# Altium PCB Main Board_V15.PcbDoc (part 4 of 5)
Units mm, origin at the board's own origin, x right, y up, seen from the top; angles counter-clockwise.
Board outline 180 x 140 mm, 2 copper layers (Top Layer, Bottom Layer); 280 components, 221 nets, 891 pads, 235 vias.
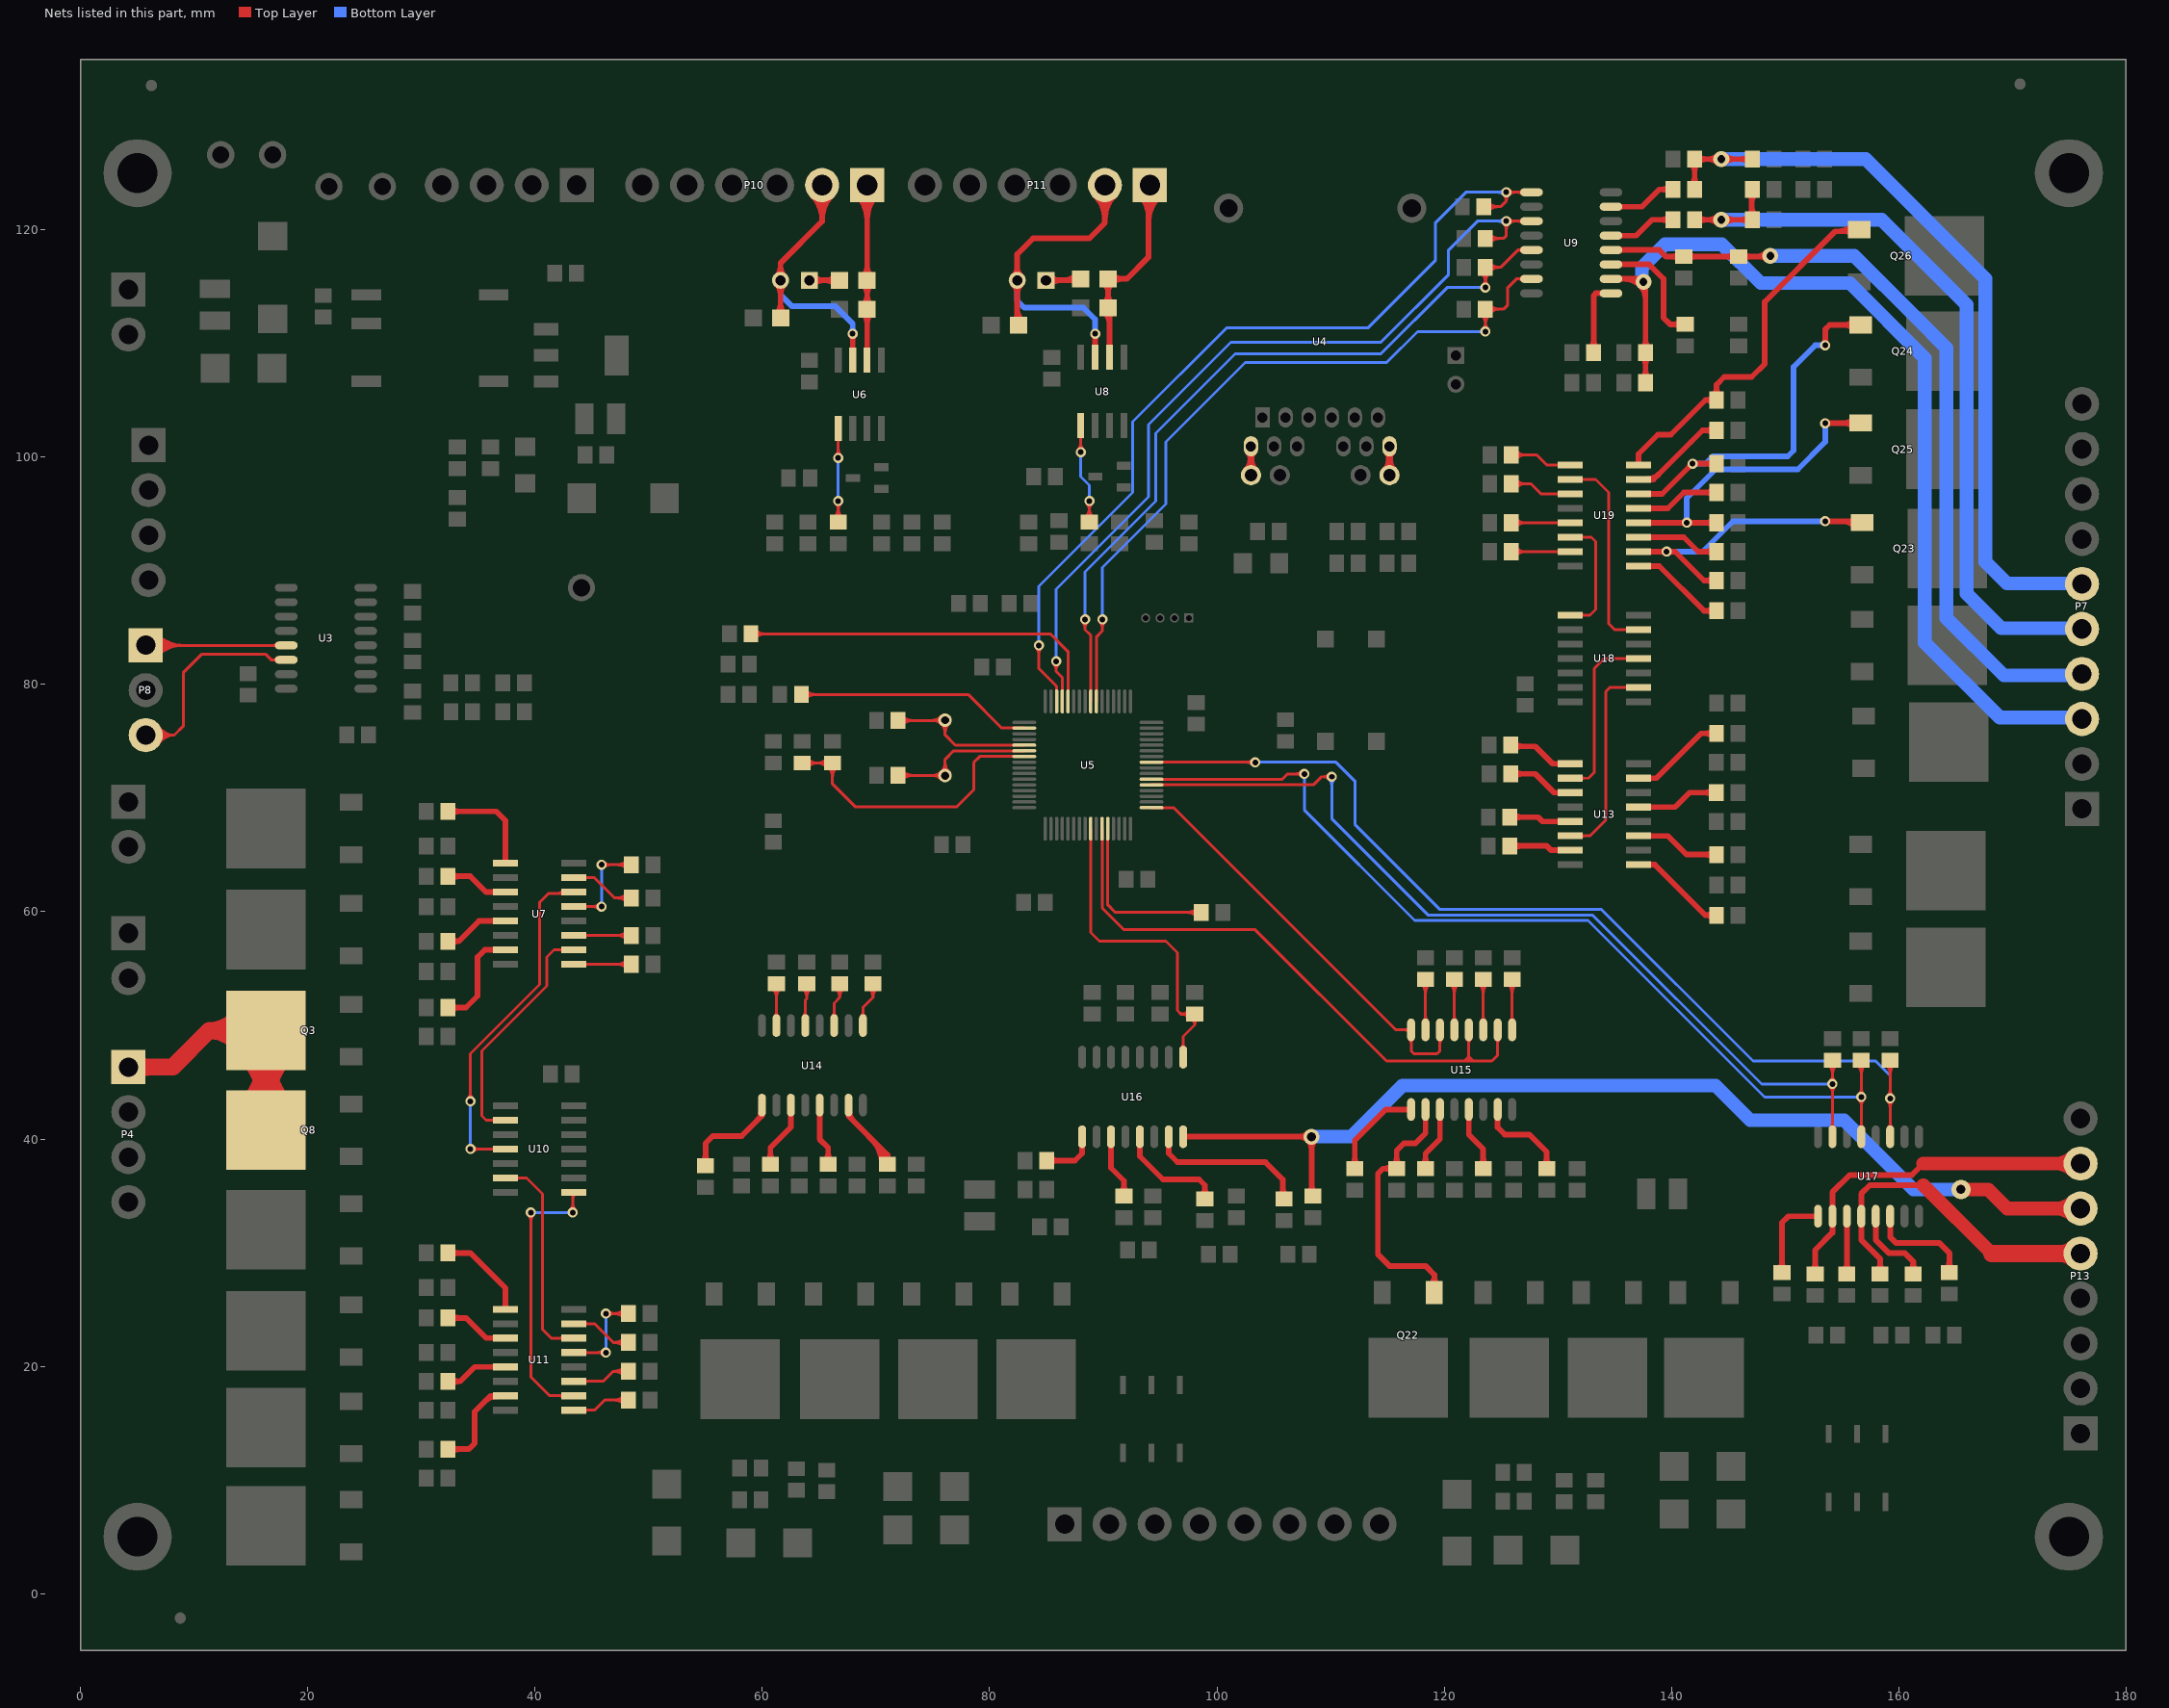
[diagram p4: the nets of this part, all layers, seen from the top]

## Via types
v1: diameter 0.889, hole 0.508, Top Layer to Bottom Layer, 97 vias
v2: diameter 1.7, hole 0.8, Top Layer to Bottom Layer, 84 vias
v3: diameter 1.2, hole 0.7, Top Layer to Bottom Layer, 34 vias
v4: diameter 1.2, hole 0.8, Top Layer to Bottom Layer, 11 vias
v5: diameter 1.4, hole 0.7, Top Layer to Bottom Layer, 5 vias
v6: diameter 1.4, hole 0.8, Top Layer to Bottom Layer, 2 vias
v7: diameter 3.4, hole 3.4, Top Layer to Bottom Layer, 2 vias

## Nets (pads, with @x,y where several pads share a name; then routed paths per layer and width w, separated by ;. In a path a pad name is that pad's centre, name@x,y a point inside that pad or via, vN(x,y) a via of type N, cw(c..) or ccw(c..) an arc to the next point about the centre after c; other vN are vias at no path point) (continued)
NetQ22_1: Q22.1 R110.1 U15.10 | length 28
  Top Layer w0.5: R110.1@115.441,37.116 ccw(c114.758,36.433) 114.758,37.399 ccw(c114.758,38.365) R110.1@115.441,37.682 ; R110.1@115.541,37.682 ccw(c114.858,38.365) 115.824,38.365 ccw(c116.79,38.365) R110.1@116.107,37.682 ; U15.10@118.364,42.601 118.364,40.513 117.475,39.624 116.459,39.624 115.824,38.989 R110.1@115.824,37.399 114.615,37.399 114.173,36.957 114.173,29.845 115.189,28.829 118.364,28.829 119.14,28.053 Q22.1@119.14,26.483 ; Q22.1@118.786,27.087 ccw(c117.933,27.94) 119.14,27.94 ccw(c120.347,27.94) Q22.1@119.494,27.087
NetQ23_1: Q23.1 R120.1 U19.10 | length 33.4
  Top Layer w0.5: U19.10@137.112,91.694 140.335,91.694 142.875,89.154 R120.1@143.971,89.154 ; v1@139.435,91.556 ccw(c139.103,91.224) 139.103,91.694 ccw(c139.103,92.164) v1@139.435,91.832 ; v1@139.711,91.556 cw(c140.043,91.224) 140.043,91.694 cw(c140.043,92.164) v1@139.711,91.832 ; R120.1@143.688,88.871 ccw(c143.005,88.188) 143.005,89.154 ccw(c143.005,90.12) R120.1@143.688,89.437 ; v1(153.543,94.361) Q23.1@156.845,94.361 ; v1@153.681,94.223 cw(c154.013,93.891) 154.013,94.361 cw(c154.013,94.831) v1@153.681,94.499 ; 155.048,94.361 cw(c155.048,92.768) Q23.1@156.174,93.894 ; 155.594,94.361 ccw(c155.594,95.182) Q23.1@156.174,94.602
  Bottom Layer w0.5: v1(139.573,91.694) 142.748,91.694 145.415,94.361 v1(153.543,94.361) ; v1@139.711,91.556 cw(c140.043,91.224) 140.043,91.694 cw(c140.043,92.164) v1@139.711,91.832 ; v1@153.405,94.223 ccw(c153.073,93.891) 153.073,94.361 ccw(c153.073,94.831) v1@153.405,94.499
NetQ24_1: Q24.1 R118.1 U19.14 | length 40
  Top Layer w0.5: U19.14@137.112,96.774 139.192,96.774 v1(141.859,99.441) R118.1@143.971,99.441 ; v1@141.664,99.441 cw(c141.195,99.441) 141.527,99.109 cw(c141.859,98.777) v1@141.859,99.246 ; v1@141.997,99.303 cw(c142.329,98.971) 142.329,99.441 cw(c142.329,99.911) v1@141.997,99.579 ; R118.1@143.688,99.158 ccw(c143.005,98.475) 143.005,99.441 ccw(c143.005,100.407) R118.1@143.688,99.724 ; v1@153.405,109.993 ccw(c153.073,110.325) 153.543,110.325 ccw(c154.013,110.325) v1@153.681,109.993 ; v1(153.543,109.855) 153.543,111.252 153.938,111.647 Q24.1@156.651,111.647 ; Q24.1@156.047,111.293 ccw(c155.194,110.44) 155.194,111.647 ccw(c155.194,112.854) Q24.1@156.047,112.001
  Bottom Layer w0.5: v1(141.859,99.441) 143.002,99.441 143.637,100.076 150.241,100.076 150.749,100.584 150.749,107.95 152.654,109.855 v1(153.543,109.855) ; v1@141.997,99.303 cw(c142.329,98.971) 142.329,99.441 cw(c142.329,99.911) v1@141.997,99.579 ; v1@153.405,109.717 ccw(c153.073,109.385) 153.073,109.855 ccw(c153.073,110.325) v1@153.405,109.993
NetQ25_1: Q25.1 R119.1 U19.12 | length 34.5
  Top Layer w0.5: U19.12@137.747,94.234 R119.1@144.018,94.234 ; v1@141.213,94.096 ccw(c140.881,93.764) 140.881,94.234 ccw(c140.881,94.704) v1@141.213,94.372 ; v1@141.489,94.096 cw(c141.821,93.764) 141.821,94.234 cw(c141.821,94.704) v1@141.489,94.372 ; R119.1@143.688,93.951 ccw(c143.005,93.268) 143.005,94.234 ccw(c143.005,95.2) R119.1@143.688,94.517 ; v1(153.543,102.997) Q25.1@156.591,102.997 ; v1@153.681,102.859 cw(c154.013,102.527) 154.013,102.997 cw(c154.013,103.467) v1@153.681,103.135 ; 155.16,102.997 ccw(c155.16,104.252) Q25.1@156.047,103.365 ; 155.228,102.997 cw(c155.228,101.838) Q25.1@156.047,102.657
  Bottom Layer w0.5: v1@141.213,94.372 ccw(c140.881,94.704) 141.351,94.704 ccw(c141.821,94.704) v1@141.489,94.372 ; v1(141.351,94.234) 141.351,96.393 143.891,98.933 151.13,98.933 153.543,101.346 v1(153.543,102.997) ; v1@153.405,102.859 cw(c153.073,102.527) 153.543,102.527 cw(c154.013,102.527) v1@153.681,102.859
NetQ26_1: Q26.1 R117.1 U19.16 | length 37.4
  Top Layer w0.5: U19.16@137.112,99.314 137.112,100.282 138.811,101.981 139.954,101.981 143.002,105.029 R117.1@143.971,105.029 143.971,106.379 144.653,107.061 147.066,107.061 148.209,108.204 148.209,109.22 148.209,113.665 154.432,119.888 Q26.1@156.538,119.888 ; R117.1@143.688,104.746 ccw(c143.005,104.063) 143.005,105.029 ccw(c143.005,105.995) R117.1@143.688,105.312 ; R117.1@143.688,105.412 ccw(c143.005,106.095) 143.971,106.095 ccw(c144.937,106.095) R117.1@144.254,105.412 ; 154.726,119.888 ccw(c154.726,121.577) Q26.1@155.92,120.383 ; 155.407,119.888 cw(c155.407,119.162) Q26.1@155.92,119.675
NetR7_2: R7.2 U5.60 | length 34.9
  Top Layer w0.254: R7.2@58.989,84.455 60.833,84.455 74.422,84.455 85.344,84.455 86.896,82.903 U5.60@86.896,78.512 ; R7.2@59.359,84.085 cw(c60.252,83.192) 60.252,84.455 cw(c60.252,85.718) R7.2@59.359,84.825
NetR8_2: R8.2 U5.28 | length 17.2
  Top Layer w0.254: U5.28@90.396,67.312 90.396,60.607 91.059,59.944 R8.2@98.679,59.944 ; R8.2@98.248,59.574 ccw(c97.355,58.681) 97.355,59.944 ccw(c97.355,61.207) R8.2@98.248,60.314
NetR10_2: R10.2 U5.2 | length 22.8
  Top Layer w0.254: R10.2@63.434,79.121 78.105,79.121 81.064,76.162 U5.2@83.046,76.162 ; R10.2@63.804,78.751 cw(c64.697,77.858) 64.697,79.121 cw(c64.697,80.384) R10.2@63.804,79.491
NetR15_1: R15.1 W1.1 | length 6.5
  Top Layer w0.5: W1.1@64.135,115.57 R15.1@66.802,115.57 ; W1.1@64.489,115.216 cw(c65.342,114.363) 65.342,115.57 cw(c65.342,116.777) W1.1@64.489,115.924 ; R15.1@66.436,115.216 ccw(c65.583,114.363) 65.583,115.57 ccw(c65.583,116.777) R15.1@66.436,115.924
NetR16_1: R16.1 U7.1 | length 7.8
  Top Layer w0.254: U7.1@43.386,55.372 48.326,55.372 R16.1@48.453,55.499 ; U7.1@44.308,55.25 cw(c44.604,54.954) 44.604,55.372 cw(c44.604,55.79) U7.1@44.308,55.494 ; R16.1@48.083,55.002 ccw(c47.19,54.109) 47.19,55.372 ccw(c47.19,56.635) R16.1@48.083,55.742
NetR17_2: R17.2 U7.3 | length 8
  Top Layer w0.254: U7.3@43.386,57.912 48.387,57.912 R17.2@48.641,57.658 ; U7.3@44.308,57.79 cw(c44.604,57.494) 44.604,57.912 cw(c44.604,58.33) U7.3@44.308,58.034 ; R17.2@48.083,57.542 ccw(c47.19,56.649) 47.19,57.912 ccw(c47.19,59.175) R17.2@48.083,58.282
NetR18_2: R18.2 U7.5 | length 13.8
  Top Layer w0.254: U7.5@43.386,60.452 v1(45.847,60.452) ; U7.5@44.308,60.33 cw(c44.604,60.034) 44.604,60.452 cw(c44.604,60.87) U7.5@44.308,60.574 ; v1@45.622,60.227 ccw(c45.08,59.685) 45.08,60.452 ccw(c45.08,61.219) v1@45.622,60.677 ; v1(45.847,64.135) R18.2@48.453,64.135 ; v1@46.072,63.91 cw(c46.614,63.368) 46.614,64.135 cw(c46.614,64.902) v1@46.072,64.36 ; R18.2@48.083,63.765 ccw(c47.19,62.872) 47.19,64.135 ccw(c47.19,65.398) R18.2@48.083,64.505
  Bottom Layer w0.254: v1(45.847,60.452) v1(45.847,64.135)
NetR19_2: R19.2 U7.7 | length 8.4
  Top Layer w0.254: U7.7@43.386,62.992 45.212,62.992 46.99,61.214 R19.2@48.453,61.214 ; U7.7@44.308,62.87 cw(c44.604,62.574) 44.604,62.992 cw(c44.604,63.41) U7.7@44.308,63.114 ; R19.2@48.083,60.844 ccw(c47.19,59.951) 47.19,61.214 ccw(c47.19,62.477) R19.2@48.083,61.584
NetR20_2: R20.2 U7.15 | length 10.7
  Top Layer w0.5: R20.2@32.319,51.562 33.909,51.562 34.925,52.578 34.925,53.34 34.925,56.007 35.56,56.642 U7.15@37.386,56.642 ; R20.2@32.602,51.279 cw(c33.285,50.596) 33.285,51.562 cw(c33.285,52.528) R20.2@32.602,51.845
NetR21_1: R21.1 U7.13 | length 7.3
  Top Layer w0.5: R21.1@32.319,57.404 33.274,57.404 ; R21.1@32.604,57.123 cw(c33.274,56.464) 33.274,57.404 ; R21.1@32.604,57.685 ccw(c33.274,58.344) 33.274,57.404 ; U7.13@37.386,59.182 35.052,59.182 33.274,57.404
NetR22_1: R22.1 U7.11 | length 7.2
  Top Layer w0.5: R22.1@32.319,63.119 34.29,63.119 35.687,61.722 U7.11@37.386,61.722 ; R22.1@32.602,62.836 cw(c33.285,62.153) 33.285,63.119 cw(c33.285,64.085) R22.1@32.602,63.402
NetR23_1: R23.1 U7.9 | length 10.7
  Top Layer w0.5: R23.1@32.319,68.834 36.576,68.834 37.386,68.024 37.386,65.865 U7.9@37.386,64.262 ; R23.1@32.602,68.551 cw(c33.285,67.868) 33.285,68.834 cw(c33.285,69.8) R23.1@32.602,69.117
NetR30_1: R30.1 U6.1 | length 13.3
  Top Layer w0.254: R30.1@66.305,94.651 ccw(c65.412,95.544) 66.675,95.544 ccw(c67.938,95.544) R30.1@67.045,94.651 ; v1@66.45,95.914 cw(c65.908,95.372) 66.675,95.372 cw(c67.442,95.372) v1@66.9,95.914 ; v1@66.45,100.174 ccw(c65.908,100.716) 66.675,100.716 ccw(c67.442,100.716) v1@66.9,100.174 ; U6.1@66.553,101.615 cw(c66.257,101.319) 66.675,101.319 cw(c67.093,101.319) U6.1@66.797,101.615 ; R30.1@66.675,94.281 v1(66.675,96.139) ; v1(66.675,99.949) U6.1@66.675,102.489
  Bottom Layer w0.254: v1(66.675,96.139) v1(66.675,99.949)
NetR32_1: R32.1 U8.1 | length 13.9
  Top Layer w0.254: v1@87.786,100.682 ccw(c87.244,101.224) 88.011,101.224 ccw(c88.778,101.224) v1@88.236,100.682 ; U8.1@87.889,101.869 cw(c87.593,101.573) 88.011,101.573 cw(c88.429,101.573) U8.1@88.133,101.869 ; v1(88.011,100.457) U8.1@88.011,102.791 ; R32.1@88.403,94.665 ccw(c87.51,95.558) 88.773,95.558 ccw(c90.036,95.558) R32.1@89.143,94.665 ; v1@88.548,95.914 cw(c88.006,95.372) 88.773,95.372 cw(c89.54,95.372) v1@88.998,95.914 ; R32.1@88.773,94.295 v1(88.773,96.139)
  Bottom Layer w0.254: v1(88.011,100.457) 88.011,98.298 88.773,97.536 v1(88.773,96.139)
NetR36_1: R36.1 W2.1 | length 6.9
  Top Layer w0.5: W2.1@84.963,115.57 87.884,115.57 R36.1@88.011,115.697 ; W2.1@85.317,115.216 cw(c86.17,114.363) 86.17,115.57 cw(c86.17,116.777) W2.1@85.317,115.924 ; 86.485,115.57 ccw(c86.485,117.211) R36.1@87.645,116.051 ; 87.098,115.57 cw(c87.098,114.797) R36.1@87.645,115.343
NetR37_2: R37.2 U11.1 | length 7.8
  Top Layer w0.254: U11.1@43.386,16.129 45.212,16.129 46.101,17.018 R37.2@48.199,17.018 ; U11.1@44.308,16.007 cw(c44.604,15.711) 44.604,16.129 cw(c44.604,16.547) U11.1@44.308,16.251 ; R37.2@47.829,16.648 ccw(c46.936,15.755) 46.936,17.018 ccw(c46.936,18.281) R37.2@47.829,17.388
NetR38_2: R38.2 U11.3 | length 7.8
  Top Layer w0.254: U11.3@43.386,18.669 45.974,18.669 46.863,19.558 R38.2@48.199,19.558 ; U11.3@44.308,18.547 cw(c44.604,18.251) 44.604,18.669 cw(c44.604,19.087) U11.3@44.308,18.791 ; R38.2@47.829,19.188 ccw(c46.936,18.295) 46.936,19.558 ccw(c46.936,20.821) R38.2@47.829,19.928
NetR39_1: R39.1 U11.5 | length 13.3
  Top Layer w0.254: U11.5@43.386,21.209 v1(46.228,21.209) ; U11.5@44.308,21.087 cw(c44.604,20.791) 44.604,21.209 cw(c44.604,21.627) U11.5@44.308,21.331 ; v1@46.003,20.984 ccw(c45.461,20.442) 45.461,21.209 ccw(c45.461,21.976) v1@46.003,21.434 ; v1(46.228,24.638) R39.1@48.199,24.638 ; v1@46.453,24.413 cw(c46.995,23.871) 46.995,24.638 cw(c46.995,25.405) v1@46.453,24.863 ; R39.1@47.829,24.268 ccw(c46.936,23.375) 46.936,24.638 ccw(c46.936,25.901) R39.1@47.829,25.008
  Bottom Layer w0.254: v1(46.228,21.209) v1(46.228,24.638)
NetR44_1: R44.1 U9.5 | length 7.6
  Top Layer w0.5: U9.5@134.691,119.507 136.906,119.507 138.303,120.904 R44.1@140.147,120.904 ; R44.1@139.864,120.621 ccw(c139.181,119.938) 139.181,120.904 ccw(c139.181,121.87) R44.1@139.864,121.187
NetR45_1: R45.1 U9.7 | length 7.6
  Top Layer w0.5: U9.7@134.691,122.047 137.414,122.047 138.938,123.571 R45.1@140.147,123.571 ; R45.1@139.864,123.288 ccw(c139.181,122.605) 139.181,123.571 ccw(c139.181,124.537) R45.1@139.864,123.854
NetR46_2: R46.2 U9.1 | length 8.1
  Top Layer w0.5: R46.2@132.874,109.603 ccw(c132.191,110.286) 133.157,110.286 ccw(c134.123,110.286) R46.2@133.44,109.603 ; R46.2@133.157,109.22 133.157,114.234 133.35,114.427 U9.1@134.691,114.427
NetR47_2: R47.2 U9.3 | length 12.2
  Top Layer w0.5: U9.3@134.691,116.967 138.049,116.967 139.319,115.697 139.319,112.268 139.893,111.694 R47.2@141.224,111.694 ; R47.2@140.841,111.411 ccw(c140.158,110.728) 140.158,111.694 ccw(c140.158,112.66) R47.2@140.841,111.977
NetR52_2: R52.2 U11.7 | length 8.1
  Top Layer w0.254: U11.7@43.386,23.749 45.212,23.749 46.863,22.098 R52.2@48.199,22.098 ; U11.7@44.308,23.627 cw(c44.604,23.331) 44.604,23.749 cw(c44.604,24.167) U11.7@44.308,23.871 ; R52.2@47.829,21.728 ccw(c46.936,20.835) 46.936,22.098 ccw(c46.936,23.361) R52.2@47.829,22.468
NetR53_2: R53.2 U11.11 | length 7.3
  Top Layer w0.5: R53.2@32.319,24.257 33.909,24.257 35.687,22.479 U11.11@37.386,22.479 ; R53.2@32.602,23.974 cw(c33.285,23.291) 33.285,24.257 cw(c33.285,25.223) R53.2@32.602,24.54
NetR54_2: R54.2 U11.15 | length 12.1
  Top Layer w0.5: R54.2@32.319,12.7 34.163,12.7 34.671,13.208 34.671,16.002 36.068,17.399 U11.15@37.386,17.399 ; R54.2@32.602,12.417 cw(c33.285,11.734) 33.285,12.7 cw(c33.285,13.666) R54.2@32.602,12.983 ; 35.616,16.947 cw(c36.586,15.978) U11.15@36.586,17.349 ; 35.809,17.14 cw(c36.377,16.572) U11.15@36.574,17.351
NetR59_1: R59.1 U11.9 | length 9.7
  Top Layer w0.5: R59.1@32.319,29.972 34.29,29.972 37.386,26.876 U11.9@37.386,25.019 ; R59.1@32.602,29.689 cw(c33.285,29.006) 33.285,29.972 cw(c33.285,30.938) R59.1@32.602,30.255
NetR61_2: R61.2 U17.1 | length 9.3
  Top Layer w0.5: R61.2@149.45,28.538 ccw(c148.767,29.221) 149.733,29.221 ccw(c150.699,29.221) R61.2@150.016,28.538 ; R61.2@149.733,28.255 149.733,32.639 150.297,33.203 U17.1@152.908,33.203
NetR64_2: R64.2 U16.7 | length 15.7
  Top Layer w0.5: U16.7@95.758,40.202 95.758,38.735 96.52,37.973 102.616,37.973 104.267,37.973 105.791,36.449 R64.2@105.791,34.732 ; R64.2@105.535,35.015 ccw(c104.918,35.632) 105.791,35.632 ; 105.791,35.763 ccw(c106.849,35.763) R64.2@106.101,35.015
NetR67_2: R67.2 U16.1 | length 7.3
  Top Layer w0.5: R67.2@85.024,38.1 87.503,38.1 88.138,38.735 U16.1@88.138,40.202 U16.1@88.138,39.243 ; R67.2@85.307,37.817 cw(c85.99,37.134) 85.99,38.1 cw(c85.99,39.066) R67.2@85.307,38.383
NetR70_2: R70.2 U16.3 | length 7.2
  Top Layer w0.5: U16.3@90.678,40.202 90.678,37.465 91.821,36.322 R70.2@91.821,34.986 ; R70.2@91.538,35.269 ccw(c90.855,35.952) 91.821,35.952 ccw(c92.787,35.952) R70.2@92.104,35.269
NetR72_2: R72.2 U11.13 | length 7.1
  Top Layer w0.5: R72.2@32.319,18.669 33.401,18.669 34.671,19.939 U11.13@37.386,19.939 ; R72.2@32.602,18.386 cw(c33.285,17.703) 33.285,18.669 cw(c33.285,19.635) R72.2@32.602,18.952
NetR74_1: R74.1 U13.1 | length 10.4
  Top Layer w0.5: R74.1@125.852,74.676 125.979,74.549 127.889,74.549 ; R74.1@126.492,74.549 128.016,74.549 129.54,73.025 U13.1@131.112,73.025 ; R74.1@126.135,74.293 cw(c126.752,73.676) 126.752,74.549 ccw(c126.752,73.676) R74.1@126.135,74.293 ; R74.1@126.135,74.859 ccw(c126.883,75.607) 126.883,74.549 cw(c126.883,75.607) R74.1@126.135,74.859
NetR75_2: R75.2 U13.3 | length 10.4
  Top Layer w0.5: R75.2@125.852,72.136 127.762,72.136 ; R75.2@126.365,72.136 128.016,72.136 129.667,70.485 U13.3@131.112,70.485 ; 126.818,72.136 ccw(c126.818,71.17) 126.135,71.853 cw(c126.818,71.17) 126.818,72.136 ; 126.818,72.136 cw(c126.818,73.102) 126.135,72.419 ccw(c126.818,73.102) 126.818,72.136
NetR76_2: R76.2 U13.5 | length 7
  Top Layer w0.5: R76.2@125.791,68.326 128.27,68.326 128.651,67.945 U13.5@131.112,67.945 ; R76.2@126.074,68.043 cw(c126.757,67.36) 126.757,68.326 cw(c126.757,69.292) R76.2@126.074,68.609
NetR77_2: R77.2 U13.7 | length 7
  Top Layer w0.5: R77.2@125.791,65.786 129.032,65.786 129.413,65.405 U13.7@131.112,65.405 ; R77.2@126.074,65.503 cw(c126.757,64.82) 126.757,65.786 cw(c126.757,66.752) R77.2@126.074,66.069
NetR79_2: R79.2 U16.5 | length 13.3
  Top Layer w0.5: U16.5@93.218,40.202 93.218,38.481 95.25,36.449 98.425,36.449 98.933,35.941 98.933,35.433 ; R79.2@98.65,35.015 ccw(c97.967,35.698) 98.933,35.698 ccw(c99.899,35.698) R79.2@99.216,35.015 ; R79.2@98.933,34.351 98.933,35.433 ; 98.933,35.433 ccw(c99.347,35.433) 99.136,35.076 cw(c99.347,35.433) 98.933,35.433 ; 98.933,35.433 cw(c98.519,35.433) 98.73,35.076 ccw(c98.519,35.433) 98.933,35.433
NetR81_2: R81.2 U13.15 | length 10
  Top Layer w0.5: U13.15@137.112,71.755 138.684,71.755 142.621,75.692 R81.2@143.971,75.692 ; R81.2@143.688,75.409 ccw(c143.005,74.726) 143.005,75.692 ccw(c143.005,76.658) R81.2@143.688,75.975
NetR84_1: R84.1 U13.13 | length 8.9
  Top Layer w0.5: U13.13@137.112,69.215 139.573,69.215 140.335,69.215 141.605,70.485 R84.1@143.957,70.485 ; R84.1@143.674,70.202 ccw(c142.991,69.519) 142.991,70.485 ccw(c142.991,71.451) R84.1@143.674,70.768
NetR86_1: R86.1 U13.11 | length 9.1
  Top Layer w0.5: U13.11@137.112,66.675 139.7,66.675 141.351,65.024 R86.1@143.971,65.024 ; R86.1@143.688,64.741 ccw(c143.005,64.058) 143.005,65.024 ccw(c143.005,65.99) R86.1@143.688,65.307
NetR88_1: R88.1 U13.9 | length 10.2
  Top Layer w0.5: U13.9@137.112,64.135 138.557,64.135 143.002,59.69 R88.1@143.971,59.69 ; R88.1@143.688,59.407 ccw(c143.005,58.724) 143.005,59.69 ccw(c143.005,60.656) R88.1@143.688,59.973
NetR89_2: R89.2 U14.1 | length 6.7
  Top Layer w0.254: U14.1@68.69,50.79 ccw(c68.31,51.17) 68.848,51.17 ccw(c69.386,51.17) U14.1@69.006,50.79 ; U14.1@68.848,49.982 68.848,51.576 69.737,52.465 ; R89.2@69.382,53.276 cw(c68.633,52.465) 69.737,52.465 ; R89.2@69.737,53.66 69.737,52.465 ; R89.2@70.092,53.276 ccw(c70.841,52.465) 69.737,52.465
NetR90_2: R90.2 U14.3 | length 6.6
  Top Layer w0.254: U14.3@66.15,50.79 ccw(c65.77,51.17) 66.308,51.17 ccw(c66.846,51.17) U14.3@66.466,50.79 ; U14.3@66.308,49.982 66.308,51.957 66.802,52.451 ; R90.2@66.444,53.279 cw(c65.666,52.451) 66.802,52.451 ; R90.2@66.802,53.66 66.802,52.451 ; R90.2@67.16,53.279 ccw(c67.938,52.451) 66.802,52.451
NetR91_2: R91.2 U15.1 | length 7.3
  Top Layer w0.254: R91.2@125.614,53.671 cw(c124.721,52.778) 125.984,52.778 cw(c127.247,52.778) R91.2@126.354,53.671 ; U15.1@125.826,50.409 ccw(c125.446,50.789) 125.984,50.789 ccw(c126.522,50.789) U15.1@126.142,50.409 ; U15.1@125.984,49.601 R91.2@125.984,54.041
NetR92_1: R92.1 U15.3 | length 7.3
  Top Layer w0.254: R92.1@123.074,53.671 cw(c122.181,52.778) 123.444,52.778 cw(c124.707,52.778) R92.1@123.814,53.671 ; U15.3@123.286,50.409 ccw(c122.906,50.789) 123.444,50.789 ccw(c123.982,50.789) U15.3@123.602,50.409 ; U15.3@123.444,49.601 R92.1@123.444,54.041
NetR94_2: R94.2 U14.15 | length 12.6
  Top Layer w0.5: U14.15@67.578,42.982 67.564,42.968 67.564,42.037 71.007,38.594 ; U14.15@67.678,42.332 ccw(c68.665,42.332) 67.967,41.634 ; 69.578,40.023 cw(c67.335,37.78) R94.2@70.507,37.78 ; 70.431,39.17 cw(c69.042,37.78) R94.2@71.007,37.78 71.007,38.594 ; R94.2@70.763,38.097 ccw(c70.379,38.594) 71.007,38.594 ; R94.2@71.251,38.097 cw(c71.635,38.594) 71.007,38.594
NetR98_2: R98.2 U14.13 | length 6.3
  Top Layer w0.5: U14.13@65.038,42.22 65.038,40.626 65.038,39.991 65.786,39.243 R98.2@65.786,37.78 ; R98.2@65.503,38.063 ccw(c64.82,38.746) 65.786,38.746 ccw(c66.752,38.746) R98.2@66.069,38.063
NetR99_2: R99.2 U15.15 | length 9.8
  Top Layer w0.5: U15.15@124.714,42.601 124.714,41.021 125.349,40.386 127.508,40.386 129.032,38.862 R99.2@129.032,37.399 ; R99.2@128.749,37.682 ccw(c128.066,38.365) 129.032,38.365 ccw(c129.998,38.365) R99.2@129.315,37.682
NetR100_2: R100.2 U15.13 | length 7.2
  Top Layer w0.5: U15.13@122.174,42.601 122.174,40.386 123.444,39.116 R100.2@123.444,37.399 ; R100.2@123.161,37.682 ccw(c122.478,38.365) 123.444,38.365 ccw(c124.41,38.365) R100.2@123.727,37.682
NetR103_2: R103.2 U19.1 | length 8.2
  Top Layer w0.254: R103.2@125.918,100.203 128.143,100.203 129.032,99.314 U19.1@131.112,99.314 ; R103.2@126.288,99.833 cw(c127.181,98.94) 127.181,100.203 cw(c127.181,101.466) R103.2@126.288,100.573 ; U19.1@130.19,99.192 ccw(c129.894,98.896) 129.894,99.314 ccw(c129.894,99.732) U19.1@130.19,99.436
NetR104_2: R104.2 U19.3 | length 8.2
  Top Layer w0.254: R104.2@125.918,97.663 127.635,97.663 128.524,96.774 U19.3@131.112,96.774 ; R104.2@126.288,97.293 cw(c127.181,96.4) 127.181,97.663 cw(c127.181,98.926) R104.2@126.288,98.033 ; U19.3@130.19,96.652 ccw(c129.894,96.356) 129.894,96.774 ccw(c129.894,97.192) U19.3@130.19,96.896
NetR105_1: R105.1 U19.5 | length 7.8
  Top Layer w0.254: R105.1@125.791,94.234 U19.5@130.937,94.234 ; R105.1@126.288,93.864 cw(c127.181,92.971) 127.181,94.234 cw(c127.181,95.497) R105.1@126.288,94.604 ; U19.5@130.19,94.112 ccw(c129.894,93.816) 129.894,94.234 ccw(c129.894,94.652) U19.5@130.19,94.356
NetR106_2: R106.2 U19.7 | length 8